# KiCad board SHVC-CPU-01.kicad_pcb (continued)
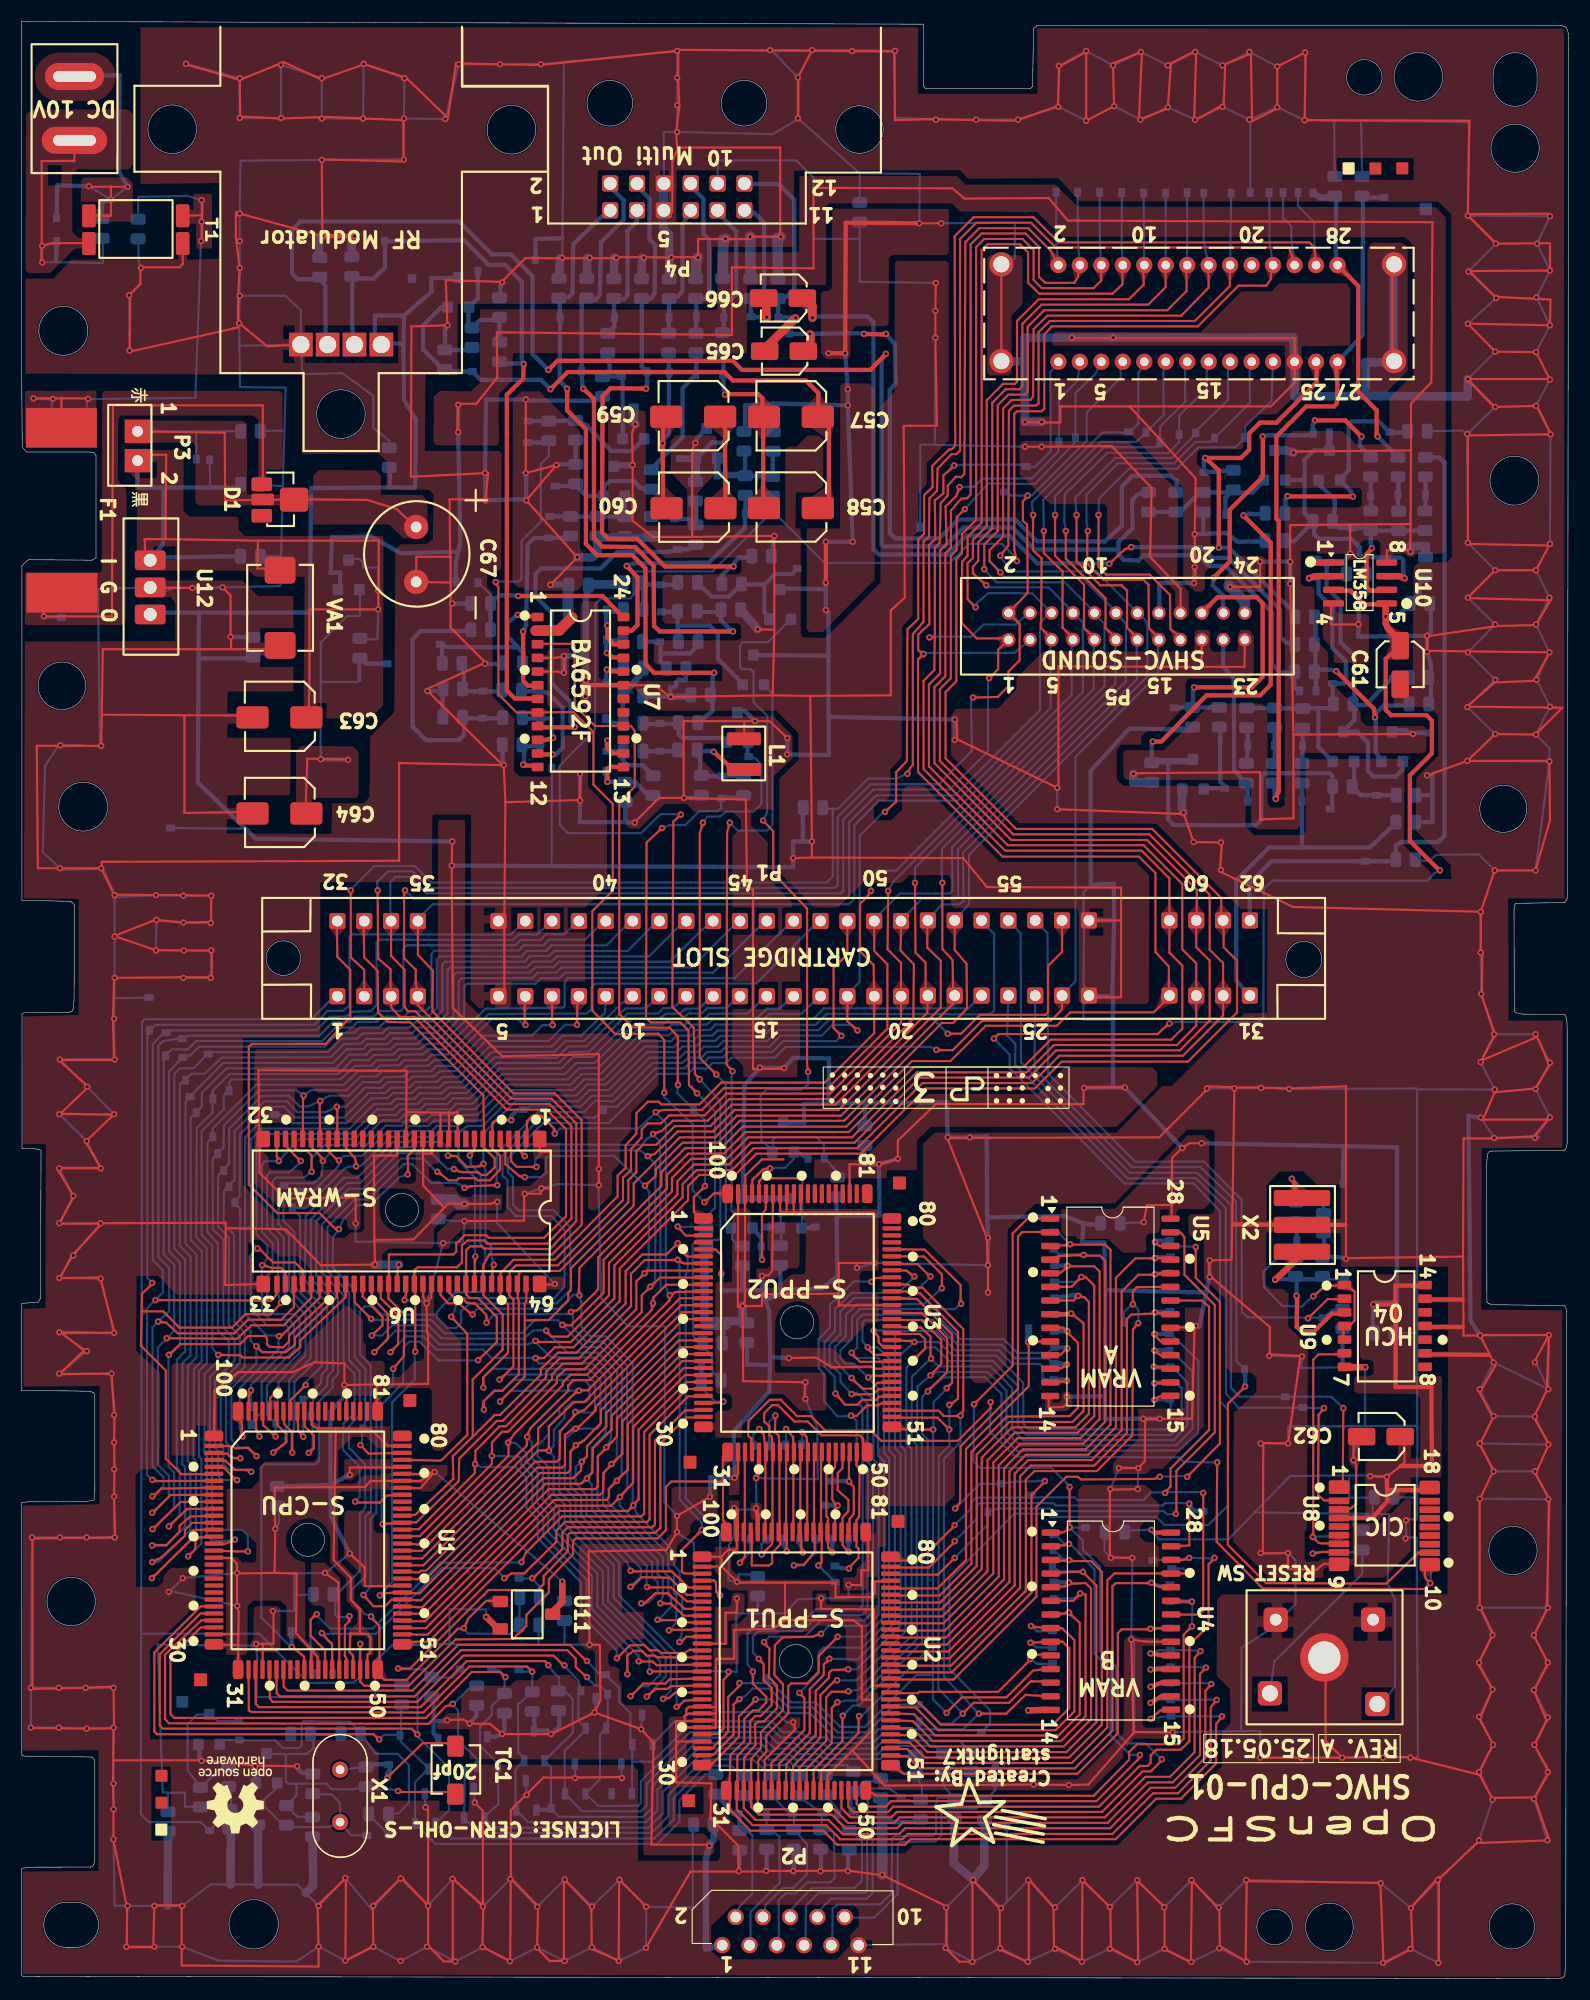
[diagram p0: board, top side]
## Copper pours and planes (outline as drawn; the poured copper is in the pictures) (continued)
GND on Bottom: 87.18,131.29 73.64,131.28 73.3,131.09 73.3,129.76 70.28,129.86 70.28,128.99 72.53,129.01 72.58,128.79 72.58,125.29 72.45,125.14 71.23,125.16 69.68,123.61 67.78,123.66 67.78,122.91 69.68,122.91 70.48,122.09 70.45,111.29 71.25,110.44 76.85,110.44 79.25,112.99 86.15,112.96 87.5,114.26 87.48,122.26 87.3,122.39 83.38,122.39 82.93,122.79 82.93,125.04 83.65,125.71 87.23,125.66 87.78,126.19 87.7,130.79 87.13,131.26
GND on Bottom: 109.09,132.04 108.46,132.03 107.08,132.02 106.51,131.53 105.8,131.51 105.29,131.03 105.26,127.18 106.57,127.18 106.57,128.16 106.72,128.4 106.76,128.44 109.79,128.43 109.95,128.57 110.11,128.76 110.11,130.99 109.99,131.12 109.6,131.54 109.6,131.68 109.57,131.81 109.47,131.92
GND on Bottom: 97.65,112.21 96.68,112.21 88.78,104.31 88.7,99.74 97.63,99.86 97.65,112.16
GND on Bottom: 24.05,39.21 23.14,39.23 22.87,39.49 22.88,42.66 22.94,42.77 23.48,42.77 23.62,42.81 23.63,43.71 24.37,43.71 24.34,39.51 24.28,39.37 24.08,39.23 23.99,39.23
GND on Bottom: 113.29,135.31 110.49,135.3 110.36,135.38 110.36,136.25 109.85,136.25 109.86,135.36 109.78,135.32 108.9,135.32 108.67,135.11 108.6,135.03 108.59,134.38 108.64,134.22 108.82,134.06 108.92,134.02 109.08,133.99 109.15,133.98 109.48,134.03 111.92,134.03 112.09,133.81 112.92,133.77 113.16,133.54 115.52,133.51 115.52,134.03 115.04,134.05 113.66,135.31
GND on Bottom: 130.68,126.15 126.18,126.16 125.67,126.66 125.67,126.73 125.65,130.16 124.98,130.15 124.98,129.54 124.86,129.48 124.81,129.47 123.68,129.47 123.58,129.43 123.45,129.3 123.39,129.2 123.36,128.91 123.37,124.9 124.58,123.76 124.62,123.69 124.62,122.7 124.72,122.5 124.92,122.34 131.01,122.33 131.02,121.66 131.55,121.64 131.53,124.88 131.52,127.47 130.99,127.47 131.02,126.62 131.02,126.4 130.92,126.31 130.79,126.14 130.69,126.16
GND on Bottom: 105.18,48.09 96.65,48.06 96.63,47.61 97.38,46.81 98.1,46.81 98.65,46.26 98.68,45.09 98.78,45.04 104.23,45.04 105.25,46.04 105.25,47.99 105.13,48.09
GND on Bottom: 77.55,152.41 71.05,152.41 70.73,152.24 70.73,150.16 70.45,149.86 69.25,149.89 68.68,149.34 68.65,147.59 68.45,147.31 66.73,147.34 66.68,145.26 67,145.04 67.13,144.96 67.13,144.56 67.68,144.56 67.68,144.99 67.85,145.21 67.93,145.26 69.23,145.26 69.68,144.84 69.68,144.49 70.23,144.49 70.23,144.71 70.3,144.76 70.73,144.76 71.08,144.46 71.25,144.11 71.28,136.39 75.33,132.31 78.08,132.31 78.6,132.81 78.6,151.36
GND on Bottom: outline of 132 points within 0.18,0.36 143.63,181.66 ; 15 cut-outs
GND on Bottom: 11.38,161.66 10.53,161.66 10.53,160.79 9.7,160.81 9.63,160.76 9.63,158.59 9.55,158.51 0.53,158.49 0.33,158.36 0.25,158.24 0.23,158.16 0.28,148.54 0.48,148.34 0.53,148.31 0.63,148.31 10.8,148.29 10.9,148.36 10.9,157.71 11.68,158.49 11.65,160.69 11.6,160.76 11.55,160.81 11.43,160.81 11.38,160.91
GND on Bottom: 21.48,38.69 16.45,38.71 16.2,38.46 14.28,38.49 13.4,37.69 13.4,36.39 13.23,36.14 13.2,35.89 13.18,35.74 13.48,35.41 13.45,32.86 13.7,32.61 21.58,32.59 21.83,32.86 21.83,38.51 21.6,38.69
GND on Bottom: 45.73,70.51 44.73,71.54 44.78,72.66 44.63,72.84 43.8,72.81 43.75,68.99 44.3,68.41 44.3,67.41 44.78,66.94 44.78,64.19 44.98,63.86 49.35,63.86 49.53,64.14 49.85,64.16 50.13,64.44 50.1,69.51 49.05,70.51
GND on Bottom: 131.71,113.94 130.02,113.95 129.76,113.71 129.76,113.7 129.75,111.97 129.78,111.86 129.99,111.67 130.13,111.67 130.66,111.62 130.86,111.57 130.96,111.47 131.04,111.37 131.03,110.77 131.03,110.66 130.25,110.68 130.25,109.86 131.01,109.84 131,108.07 130.45,108.07 130.02,108.08 130.02,107.09 131.03,107.06 131.01,106.75 131.03,106.39 131.09,106.31 131.74,106.31 131.97,106.5 132.03,106.63 132.05,113.62 131.97,113.73 131.86,113.85 131.78,113.9
GND on Bottom: 124.15,157.66 124.13,153.36 122.9,152.04 119.48,152.04 119.03,151.49 117.75,151.49 117.18,152.06 95.6,152.09 95.15,151.56 95.1,145.51 95.38,145.19 95.35,144.74 94.58,143.96 89.73,143.96 89.25,144.44 89.23,153.89 89.75,154.44 92.55,154.39 94.15,155.94 114.95,155.89 115.7,156.71 115.7,157.69 116.23,158.19 123.63,158.19 ; 2 cut-outs
GND on Bottom: 53.61,147.31 48.66,147.32 47.84,148.07 42.31,148.11 42.03,147.84 42,147.76 41.99,131.38 42.12,131.18 42.24,131.08 42.35,131.03 45.77,131.03 45.86,131.08 45.96,131.2 46.07,131.41 46.06,134.1 47.83,135.82 47.86,135.86 47.85,141.72 47.61,141.98 46.55,142 46.33,142.25 46.34,145.73 46.38,145.85 46.56,146.02 52.9,146.05 53.81,146.85 53.82,147.31
GND on Bottom: 74.23,56.01 71.73,55.99 71.73,52.24 71.9,51.96 71.93,51.91 73.2,51.96 73.5,51.69 73.5,48.71 73.4,48.56 67.73,48.59 67.63,48.44 67.65,44.36 67.5,44.29 65.6,44.29 65.63,36.69 65.83,36.41 66.9,36.39 67.08,36.49 67.08,37.16 67.18,37.19 68.08,37.16 68.08,37.91 66.25,37.94 66.1,38.19 66.1,39.26 66.85,39.96 66.85,41.94 66.93,41.99 73.95,41.99 73.98,42.11 73.98,44.79 74.5,44.79 74.73,45.04 74.75,46.96 74.8,47.04 76.98,47.09 77.28,47.39 77.3,51.04 76.53,51.89 75.78,51.89 74.2,53.46 74.25,55.91
GND on Bottom: 43.4,114.51 36.25,114.54 36.15,114.41 36.15,112.39 36.25,112.21 45.2,112.21 45.3,112.31 45.3,113.44 45,113.64 45,114.09 44.58,114.09 44.6,113.61 44.43,113.49 43.8,113.51 43.78,114.49 43.33,114.51
C62 on Top: 124.28,47.26 124.48,47.26 124.53,47.76 124.6,48.01 124.63,49.91 123.65,49.92 123.61,48.11
C68 on Bottom: 70.78,135.96 70.46,136.48 70.32,136.72 70.24,136.85 70.24,136.97 70.43,137.35 70.44,137.66 69.5,137.65 69.5,137.37 69.68,137.02 69.68,136.9 69.65,136.77 69.11,135.89 69.51,135.89 69.89,136.01 69.96,136.03 70.58,135.83 70.63,135.8 70.92,135.82
C.RD on Bottom: 40.59,78.09 40.07,78.64 39.98,78.72 39.85,78.77 39.84,78.96 41.12,78.95 40.93,78.65 40.84,78.49 40.8,78.35 40.79,78.09 40.58,78.1
DC+ on Top: 3.27,179.32 6.8,179.29 7.01,179.27 7.29,179.18 7.78,178.91 8.03,178.71 8.34,178.35 8.51,178.1 8.6,177.89 8.67,177.69 8.7,177.54 8.72,177.42 8.74,176.99 8.73,176.75 8.68,176.46 8.55,176.09 8.43,175.87 8.2,175.57 7.99,175.36 7.7,175.13 7.5,175.02 7.2,174.9 6.96,174.83 6.76,174.8 6.12,174.79 3.52,174.79 3.32,174.79 3.07,174.82 2.78,174.91 2.44,175.05 2.21,175.19 1.96,175.36 1.78,175.55 1.59,175.82 1.39,176.21 1.34,176.39 1.28,176.73 1.25,177 1.26,177.34 1.35,177.75 1.48,178.06 1.67,178.36 1.89,178.62 2.26,178.93 2.64,179.15 3.02,179.26 3.25,179.31
DC+ on Top: 5.58,167.41 5.81,167.66 9.88,167.66 10.33,167.21 10.38,167.11 10.38,163.66 10.28,163.56 6.48,163.56 6.48,164.76 7.38,164.76 7.38,165.21 7.33,165.31 7.23,165.41 5.63,165.41 5.53,165.51
DC+ on Bottom: 10.1,181.59 10.11,166.6 9.56,166.18 9.58,165.64 9.06,165.08 8.18,165.11 8.11,165 8.1,164.29 7,164.29 7.04,164.89 3.5,164.84 3.53,163.51 3,163.51 3.05,168.71 3.3,168.96 8.1,168.91 8.4,169.34 8.35,174.09 7.63,174.79 0.5,174.79 0.2,174.96 0.2,181.44 0.38,181.69 ; 2 cut-outs
DC- on Top: 10.53,173.41 10.48,169.01 9.93,168.41 5.28,168.46 4.73,167.91 4.73,162.66 5.18,162.16 5.28,162.06 5.88,162.06 5.88,161.06 4.98,161.06 2.68,158.79 0.68,158.76 0.38,159.06 0.43,173.56 1.08,174.01 9.93,174.01 ; 1 cut-out
DC- on Bottom: 6.88,162.36 6.88,161.36 7.08,161.26 7.08,160.86 6.98,160.76 3.61,160.78 3.52,160.88 3.54,161.97 3.03,161.97 3.02,160.87 2.95,160.79 2.51,160.79 2.36,160.91 2.31,161.03 2.29,161.1 2.27,161.15 2.26,161.77 2.18,161.86 2.14,161.92 2.06,161.98 2.01,162.02 1.95,162.05 1.9,162.08 0.57,162.09 0.43,162.03 0.27,161.87 0.23,161.76 0.2,161.62 0.23,159.52 0.27,159.45 0.36,159.38 0.38,159.31 0.46,159.26 0.51,159.24 8.26,159.22 8.34,159.33 8.38,159.45 8.34,160.55 8.17,160.7 8.1,160.8 8.08,160.81 8.08,162.36
EXP on Bottom: 75.48,107.71 74.88,108.32 74.88,109.05 75.53,109.05 75.78,109.02 76.08,109.02 76.07,108.82 75.8,108.81 75.75,108.76 75.71,108.69 75.69,108.53 75.67,107.74
Q18 on Top: 26.08,114.76 30.93,114.71 31.38,114.21 31.38,110.16 31.18,109.91 27.23,109.92 27.03,109.88 27.05,109.41 25.58,109.41 25.58,114.25
Q18 on Bottom: 35.1,121.61 30.28,121.66 30,121.94 30.03,125.66 30.08,125.71 31.05,125.69 31.21,125.68 31.81,125.7 31.8,128.74 31.8,129.01 31.3,129.01 31.3,128.41 31.23,128.29 31.15,128.21 28.6,128.26 28.5,128.19 28.5,126.26 28.03,125.76 27.8,125.69 25.98,125.71 25.45,125.21 25.43,112.56 25.55,112.34 25.7,112.29 25.75,112.24 35.13,112.21 35.63,112.74 35.63,121.11 35.15,121.61
SL.IN on Bottom: 120.38,105.41 119.48,106.28 119.48,106.41 119.09,106.41 117.98,105.42
VDA2 on Bottom: 81.48,59.26 81.28,59.26 80.86,60.1 80.79,60.18 80.79,60.34 81.96,60.33 81.96,60.17 81.68,59.74
VDB2 on Bottom: 83.78,23.86 83.98,23.46 84.13,23.33 84.38,23.16 82.78,23.16 83.14,23.33 83.26,23.46 83.31,23.53 83.48,23.86

Small or netless copper shapes (teardrops, artwork), in the pictures only: 1015 on Top, 1152 on Bottom

## Text on the board
B.Silkscreen: 32 | 1 | 35 | 5 | 2 | 40 | 10 | LICENSE: CERN-OHL-S | 45 | 15 | 11 | 12 | 50 | 20 | Created By: / starlightk7 | 55 | 25 | EXPANSION | P6 | 60 | 30 | 62 | 31 | 23 | 24 | 28 | 27 | O | I | G | GND | +B | AUDIO | VIDEO | REV. A | 25.05.18 | SHVC-CPU-01 | OpenSFC
F.Silkscreen: LM358 | 赤 | 黒 | 20pf | LICENSE: CERN-OHL-S | Created By: / starlightk7 | 32 | 33 | 1 | 35 | 5 | 2 | 64 | 40 | 10 | 45 | 15 | 11 | 12 | 50 | 20 | 55 | 25 | 60 | 23 | 24 | 31 | 62 | RESET SW | 28 | 27 | I | G | O | 30 | 100 | 81 | 51 | 80 | 13 | 14 | 4 | 9 | 7 | 8 | 18 | DC 10V | B | A | 25.05.18 | REV. A | 04 | S-CPU | S-WRAM | RF Modulator | Multi Out | CARTRIDGE SLOT | S-PPU1 | S-PPU2 | VRAM | SHVC-SOUND | CIC | HCU | BA6592F | SHVC-CPU-01 | 3 | OpenSFC
